# Altium PCB slave.PcbDoc (part 5 of 7) (continued)
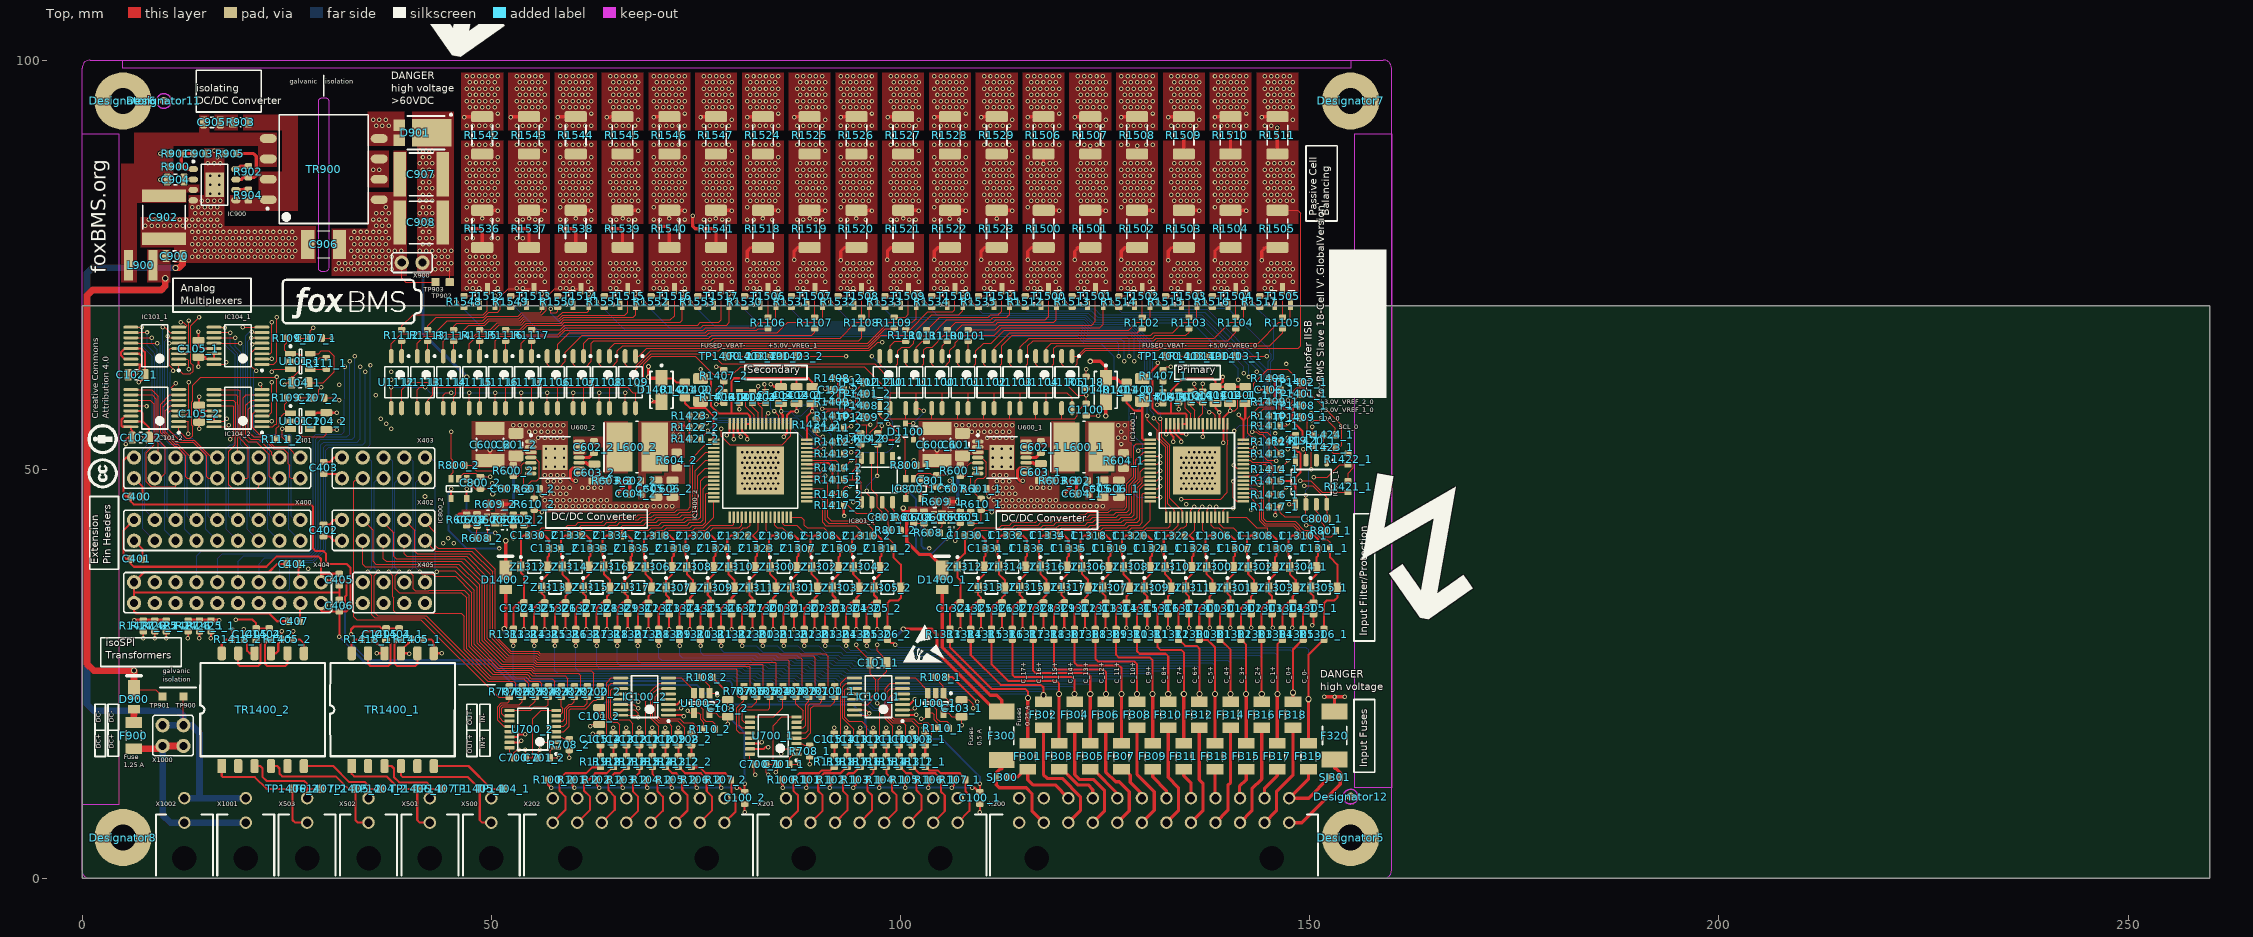
[diagram p0: Top view]
## Nets (pads, with @x,y where several pads share a name; then routed paths per layer and width w, separated by ;. In a path a pad name is that pad's centre, name@x,y a point inside that pad or via, vN(x,y) a via of type N, cw(c..) or ccw(c..) an arc to the next point about the centre after c; other vN are vias at no path point) (continued)
NetR1552_1: R1552.1 T1516.1 | length 2.2
  Top w0.152: R1552.1@69.85,71.185 70.825,71.185 71.44,70.57 T1516.1@71.44,70.17
NetR1553_1: R1553.1 T1517.1 | length 2.2
  Top w0.152: R1553.1@75.565,71.185 76.54,71.185 77.155,70.57 T1517.1@77.155,70.17
NetTR900_6: TR900.6 TR900.7
  other v1: 35.56,86.614 36.322,86.614
OPA_TEMP_1: IC100_1.8 R110_1.1 U100_1.3 | length 9.9
  Top w0.152: IC100_1.8@100.239,24.5 101.78,24.5 103.349,22.931 U100_1.3@103.349,22.631 103.349,21.746 104.457,20.637 104.457,19.526 104.775,19.209 105.638,19.209 105.949,18.898 R110_1.1@105.949,18.347
OPA_TEMP_2: IC100_2.8 R110_2.1 U100_2.3 | length 10
  Top w0.152: IC100_2.8@71.664,24.5 73.205,24.5 74.774,22.931 U100_2.3@74.774,22.631 74.774,21.746 75.882,20.637 75.882,19.526 76.2,19.209 76.994,19.209 77.374,18.829 R110_2.1@77.374,18.256
OPA_USER_1: IC101_1.8 IC104_1.8 R111_1.1 U101_1.3 | length 37.7
  Top w0.152: IC101_1.8@11.815,67.363 12.565,67.363 12.761,67.558 12.374,67.945 v1(12.065,67.945) ; v1@19.636,67.388 v1(19.621,67.373) 20.937,67.373 20.948,67.363 IC104_1.8@21.957,67.363 ; IC104_1.8@21.931,67.388 IC104_1.8@21.957,67.363 ; IC104_1.8@21.975,67.363 IC104_1.8@21.957,67.363 ; v1@23.187,61.903 v1(23.177,61.912) 23.498,62.233 U101_1.3@25.47,62.233 ; v1(28.575,63.182) 29.03,63.638 R111_1.1@29.845,63.638
  Signals2 w0.152: v1(12.065,67.945) 12.383,67.627 12.383,61.912 12.7,61.595 20.002,61.595 ; v1(19.621,67.373) 20.002,66.992 20.002,61.595 ; v1(28.575,63.182) 28.575,62.547 28.258,62.23 23.495,62.23 v1(23.177,61.912) 22.748,61.483 20.432,61.483 20.32,61.595 20.002,61.595
OPA_USER_2: IC101_2.8 IC104_2.8 R111_2.1 U101_2.3 | length 31.2
  Top w0.152: v1(11.43,60.518) 10.869,59.957 10.869,59.938 11.065,59.743 IC101_2.8@11.815,59.743 ; v1(21.749,60.373) 21.975,60.147 IC104_2.8@21.975,59.743 ; R111_2.1@25.148,53.657 24.696,53.657 24.447,53.906 v1(24.447,54.927) 24.45,54.93 U101_2.3@25.47,54.93
  Signals2 w0.152: v1(11.43,60.518) 11.43,55.096 12.724,53.802 13.512,53.802 14.003,54.292 21.273,54.292 ; v1(21.749,60.373) 21.638,60.373 21.273,60.008 21.273,54.292 ; v1(24.447,54.927) 23.812,54.292 21.273,54.292
OUT_N1_1: IC1400_1.63 R1418_1.2 TR1400_1.10 | length 124.4
  Top w0.254: R1418_1.2@35.625,29.21 35.625,29.11 35.996,28.739 36.081,28.739 36.954,27.866 TR1400_1.10@36.954,27.517 36.026,27.517 v1(36.005,27.495) ; IC1400_1.63@132.958,55.547 132.958,54.648 133.063,54.543 133.063,54.262 133.35,53.975 v1(133.35,53.34)
  Signals1 w0.254: v1@35.985,27.495 v1(36.005,27.495) 37.362,27.495 37.597,27.731 37.597,29.051 37.833,29.286 37.898,29.286 101.135,29.286 101.453,29.604 101.453,40.45 104.653,43.65 129.057,43.65 131.075,45.667 131.075,51.762 132.653,53.34 v1(133.35,53.34)
OUT_N1_2: IC1400_2.63 R1418_2.2 TR1400_2.10 | length 85.5
  Top w0.254: v1(19.75,30.48) R1418_2.2@19.75,29.21 19.75,29.11 20.161,28.699 20.161,27.826 20.47,27.517 TR1400_2.10@21.079,27.517 ; v1(79.618,53.692) IC1400_2.63@79.618,55.598
  Signals1 w0.254: v1(19.75,30.48) 23.698,30.48 24.587,31.369 47.879,31.369 48.532,32.022 48.532,42.332 49.85,43.65 76.67,43.65 78.461,45.441 78.461,52.535 v1(79.618,53.692)
OUT_P1_1: IC1400_1.64 R1418_1.1 TR1400_1.12 | length 123.6
  Top w0.254: TR1400_1.12@32.941,27.517 32.941,28.814 33.337,29.21 R1418_1.1@34.225,29.21 34.225,29.995 34.442,30.212 35.985,30.212 36.368,29.829 v1(36.38,29.829) ; v1(132.458,54.292) IC1400_1.64@132.458,55.547
  Signals1 w0.254: v1(36.38,29.829) 36.38,29.875 36.562,29.693 36.83,29.693 100.729,29.693 101.047,30.01 101.047,40.546 104.633,44.133 128.905,44.133 130.52,45.747 130.52,52.097 132.458,54.035 v1(132.458,54.292)
OUT_P1_2: IC1400_2.64 R1418_2.1 TR1400_2.12 | length 86.3
  Top w0.254: TR1400_2.12@17.066,27.517 17.066,28.655 17.621,29.21 R1418_2.1@18.35,29.21 v1(18.35,30.468) ; v1@78.762,54.043 v1(78.762,54.177) 79.117,54.533 IC1400_2.64@79.117,55.598
  Signals1 w0.254: v1(18.35,30.468) 18.496,30.468 19.114,31.085 20.703,31.085 21.749,32.131 47.808,32.131 48.126,32.449 48.126,42.428 49.703,44.005 76.391,44.005 78.105,45.72 78.105,53.52 v1(78.762,54.177)
PRIMARY-ANALOG-IN_0: IC104_1.4 X400.1 | length 27.6
  Top w0.152: v1(21.273,62.038) 20.637,62.673 20.637,64.175 21.225,64.763 IC104_1.4@21.975,64.763
  Bottom w0.152: v1(21.273,62.038) 21.08,62.038 20.955,61.912 20.955,54.61 21.273,54.292 25.399,54.292 25.559,54.133 25.559,44.276 26.041,43.803 X400.1@26.67,43.815
PRIMARY-ANALOG-IN_1: IC104_1.5 X400.2 | length 30.2
  Top w0.152: v1(20.784,65.248) 20.948,65.413 IC104_1.5@21.975,65.413
  Bottom w0.152: v1(20.784,65.248) 20.637,65.102 20.637,54.292 20.955,53.975 25.082,53.975 25.241,53.816 25.241,42.686 X400.2@26.67,41.275
PRIMARY-ANALOG-IN_2: IC104_1.6 X400.3 | length 27
  Top w0.152: v1(20.66,66.063) IC104_1.6@21.975,66.063 ; IC104_1.6@21.933,66.04 IC104_1.6@21.946,66.053
  Bottom w0.152: v1(20.66,66.063) 20.229,65.632 20.229,54.066 20.637,53.657 22.656,53.657 23.006,53.307 23.006,53.054 22.955,53.003 22.955,44.339 23.501,43.803 X400.3@24.13,43.815
PRIMARY-ANALOG-IN_3: IC104_1.7 X400.4 | length 30.4
  Top w0.152: v1(20.711,66.816) 20.809,66.816 20.827,66.834 20.948,66.713 IC104_1.7@21.975,66.713
  Bottom w0.152: v1(20.711,66.816) 20.497,66.816 20.479,66.834 19.975,66.33 19.975,53.685 20.32,53.34 22.541,53.34 22.701,53.18 22.701,44.516 22.65,44.465 22.65,44.212 22.701,44.161 22.701,42.686 X400.4@24.13,41.275
PRIMARY-ANALOG-IN_4: IC104_1.12 X400.5 | length 26.3
  Top w0.152: IC104_1.12@16.125,65.413 19.34,65.413 v1(19.345,65.418)
  Bottom w0.152: v1(19.345,65.418) 19.355,65.418 19.685,65.087 19.685,53.34 20.002,53.023 20.32,53.023 20.479,52.864 20.479,44.276 20.961,43.803 X400.5@21.59,43.815
PRIMARY-ANALOG-IN_5: IC104_1.11 X400.6 | length 28.7
  Top w0.152: IC104_1.11@16.125,66.063 18.697,66.063 v1(18.707,66.053)
  Bottom w0.152: v1(18.707,66.053) 18.707,64.941 19.367,64.281 19.367,53.023 19.685,52.705 20.002,52.705 20.161,52.546 20.161,42.686 X400.6@21.59,41.275
PRIMARY-ANALOG-IN_6: IC104_1.10 X400.7 | length 26.7
  Top w0.152: IC104_1.10@16.154,66.713 18.059,66.713 v1(18.098,66.675)
  Bottom w0.152: v1(18.098,66.675) 18.098,65.087 19.05,64.135 19.05,53.023 18.732,52.705 18.415,52.705 17.939,52.229 17.939,44.276 18.421,43.803 X400.7@19.05,43.815
PRIMARY-ANALOG-IN_7: IC104_1.9 X400.8 | length 29.2
  Top w0.152: IC104_1.9@16.125,67.363 17.41,67.363 v1(17.462,67.31)
  Bottom w0.152: v1(17.462,67.31) 17.462,65.234 18.732,63.964 18.732,53.34 18.415,53.023 18.098,53.023 17.621,52.546 17.621,42.686 X400.8@19.05,41.275
PRIMARY-ANALOG-IN_8: IC101_1.4 X400.9 | length 26.3
  Top w0.152: v1(11.112,62.038) 11.112,62.23 10.636,62.706 10.636,64.589 10.788,64.741 10.788,64.763 IC101_1.4@11.815,64.763
  Bottom w0.152: v1(11.112,62.038) 10.92,62.038 10.795,61.912 10.795,54.61 11.112,54.292 12.233,54.292 12.724,53.802 13.451,53.802 15.399,51.854 15.399,44.276 15.881,43.803 X400.9@16.51,43.815
PRIMARY-ANALOG-IN_9: IC101_1.5 X400.10 | length 29.1
  Top w0.152: v1(10.636,65.405) 10.781,65.405 10.788,65.413 IC101_1.5@11.815,65.413
  Bottom w0.152: v1(10.636,65.405) 10.477,65.246 10.477,54.292 10.795,53.975 12.192,53.975 12.619,53.548 13.346,53.548 15.081,51.813 15.081,42.686 X400.10@16.51,41.275
PRIMARY-ANALOG-IN_10: IC101_1.6 X400.11 | length 26.3
  Top w0.152: v1(10.477,66.244) 10.659,66.063 IC101_1.6@11.815,66.063
  Bottom w0.152: v1(10.477,66.244) 10.477,66.04 10.082,65.644 10.082,54.053 10.477,53.657 11.056,53.657 12.859,51.854 12.859,44.276 13.341,43.803 X400.11@13.97,43.815
PRIMARY-ANALOG-IN_11: IC101_1.7 X400.12 | length 30.4
  Top w0.152: v1(9.842,67.373) 10.132,67.373 10.793,66.713 IC101_1.7@11.815,66.713
  Bottom w0.152: v1(9.842,67.373) 9.828,67.359 9.828,53.948 10.736,53.04 11.314,53.04 12.541,51.813 12.541,42.686 X400.12@13.97,41.275
PRIMARY-ANALOG-IN_12: IC101_1.12 X400.13 | length 26.1
  Top w0.152: IC101_1.12@5.965,65.413 9.19,65.413 9.195,65.418 v1(9.207,65.405)
  Bottom w0.152: v1(9.207,65.405) 9.525,65.087 9.525,53.382 10.377,52.53 10.377,44.219 10.801,43.803 X400.13@11.43,43.815
PRIMARY-ANALOG-IN_13: IC101_1.11 X400.14 | length 28.6
  Top w0.152: IC101_1.11@5.965,66.063 6.992,66.063 7.001,66.053 8.502,66.053 v1(8.509,66.06)
  Bottom w0.152: v1(8.509,66.06) 8.509,65.319 9.207,64.621 9.207,53.34 10.123,52.424 10.123,44.396 10.072,44.345 10.072,44.093 10.123,44.042 10.123,42.565 X400.14@11.43,41.275
PRIMARY-ANALOG-IN_14: IC101_1.10 X400.15 | length 26.3
  Top w0.152: IC101_1.10@5.965,66.713 6.992,66.713 ; 6.992,66.713 v1(7.936,66.713)
  Bottom w0.152: v1(7.936,66.713) 7.936,65.086 8.569,64.453 8.572,64.453 8.89,64.135 8.89,53.34 7.657,52.107 7.657,45.048 X400.15@8.89,43.815
PRIMARY-ANALOG-IN_15: IC101_1.9 X400.16 | length 29.1
  Top w0.152: IC101_1.9@5.965,67.363 6.992,67.363 7.003,67.373 v1(7.306,67.373)
  Bottom w0.152: v1(7.306,67.373) 7.306,65.084 8.572,63.817 8.572,53.617 7.403,52.447 7.403,42.762 X400.16@8.89,41.275
PRIMARY-C0: C1311_1.2 IC1400_1.38 R1306_1.2 Z1305_1.2 | length 28.5
  Top w0.152: IC1400_1.38@141.908,48.597 143.54,48.597 143.598,48.656 144.087,48.656 144.382,48.361 144.382,43.937 144.695,43.624 148.211,43.624 149.285,42.55 150.363,42.55 151.511,41.402 152.146,41.402 152.49,41.058 C1311_1.2@152.49,40.322 ; IC1400_1.38@141.958,48.598 IC1400_1.38@142.016,48.656
  Top w0.254: R1306_1.2@151.745,30.583 151.745,33.643 152.062,33.96 153.015,33.96 153.38,34.325 153.38,38.358 152.49,39.247 C1311_1.2@152.49,40.322
PRIMARY-C1: C1305_1.1 C1310_1.2 C1311_1.1 IC1400_1.36 R1305_1.2 Z1304_1.2 Z1305_1.1 | length 25.6
  Top w0.152: IC1400_1.36@141.958,47.598 143.379,47.598 144.128,46.848 144.128,43.832 144.589,43.37 148.106,43.37 148.734,42.743 148.734,42.635 149.472,41.898 C1310_1.2@149.93,41.898
  Top w0.254: R1305_1.2@149.205,30.533 149.205,33.039 149.898,33.733 C1305_1.1@150.475,33.733 150.475,34.471 150.11,34.836 Z1305_1.1@150.11,35.548 150.11,36.453 150.84,37.183 150.84,37.376 Z1304_1.2@150.84,38.088 150.84,39.236 151.04,39.436 C1311_1.1@151.04,40.322 151.04,41.42 150.563,41.898 C1310_1.2@150.07,41.898
PRIMARY-C2: C1304_1.1 C1309_1.2 C1310_1.1 IC1400_1.34 R1304_1.2 Z1303_1.2 Z1304_1.1 | length 23.4
  Top w0.152: IC1400_1.34@141.908,46.597 142.709,46.597 143.874,45.433 143.874,43.727 144.484,43.116 148.001,43.116 148.48,42.637 C1310_1.1@148.48,41.898
  Top w0.254: R1304_1.2@146.665,30.533 146.665,33.039 147.358,33.733 C1304_1.1@147.935,33.733 147.935,34.471 148.3,34.836 Z1303_1.2@148.3,35.548 148.3,36.453 147.57,37.183 Z1304_1.1@147.57,38.088 147.57,39.236 147.41,39.396 C1309_1.2@147.41,40.322 147.41,41.46 147.848,41.898 C1310_1.1@148.34,41.898
PRIMARY-C3: C1303_1.1 C1308_1.2 C1309_1.1 IC1400_1.32 R1303_1.2 Z1302_1.2 Z1303_1.1 | length 20
  Top w0.152: IC1400_1.32@139.958,44.147 142.225,44.147 143.51,42.862 144.85,42.862 C1308_1.2@144.85,41.898
  Top w0.254: R1303_1.2@144.125,30.533 144.125,33.039 144.818,33.733 C1303_1.1@145.395,33.733 145.395,34.471 145.03,34.836 Z1303_1.1@145.03,35.548 145.03,36.453 145.76,37.183 Z1302_1.2@145.76,38.088 145.76,39.236 145.96,39.436 C1309_1.1@145.96,40.322 145.96,41.42 145.483,41.898 C1308_1.2@144.85,41.898
PRIMARY-C4: C1302_1.1 C1307_1.2 C1308_1.1 IC1400_1.30 R1302_1.2 Z1301_1.2 Z1302_1.1 | length 19.2
  Top w0.152: IC1400_1.30@138.958,43.497 IC1400_1.30@138.958,44.097 ; IC1400_1.30@138.958,44.147 138.958,43.346 139.441,42.862 140.653,42.862 141.617,41.898 142.768,41.898
  Top w0.254: R1302_1.2@141.585,30.533 141.585,33.039 142.278,33.733 C1302_1.1@142.855,33.733 142.855,34.471 143.22,34.836 Z1301_1.2@143.22,35.548 143.22,36.453 142.49,37.183 Z1302_1.1@142.49,38.088 142.49,39.236 142.342,39.383 C1307_1.2@142.342,40.322 142.342,41.472 142.768,41.898 C1308_1.1@143.26,41.898
PRIMARY-C5: C1301_1.1 C1306_1.2 C1307_1.1 IC1400_1.28 R1301_1.2 Z1300_1.2 Z1301_1.1 | length 16.9
  Top w0.152: IC1400_1.28@137.958,44.097 137.958,43.18 138.275,42.862 138.905,42.862 139.77,41.998 C1306_1.2@139.77,41.898
  Top w0.254: R1301_1.2@139.045,30.533 139.045,33.039 139.738,33.733 C1301_1.1@140.315,33.733 140.315,34.471 139.95,34.836 Z1301_1.1@139.95,35.548 139.95,36.453 140.68,37.183 Z1300_1.2@140.68,38.088 140.68,39.236 140.892,39.448 C1307_1.1@140.892,40.322 140.892,41.353 140.347,41.898 C1306_1.2@139.77,41.898
PRIMARY-C6: C1300_1.1 C1306_1.1 C1323_1.2 IC1400_1.26 R1300_1.2 Z1300_1.1 Z1311_1.2 | length 16.1
  Top w0.152: IC1400_1.26@136.958,44.097 136.958,42.545 137.605,41.898 137.688,41.898
  Top w0.254: R1300_1.2@136.505,30.533 136.505,33.039 137.198,33.733 C1300_1.1@137.775,33.733 137.775,34.471 138.14,34.836 Z1311_1.2@138.14,35.548 138.14,36.453 137.41,37.183 Z1300_1.1@137.41,38.088 137.41,39.236 137.25,39.396 C1323_1.2@137.25,40.322 137.25,41.46 137.688,41.898 C1306_1.1@138.32,41.898
PRIMARY-C7: C1317_1.1 C1322_1.2 C1323_1.1 IC1400_1.24 R1312_1.2 Z1310_1.2 Z1311_1.1 | length 16.1
  Top w0.152: 135.323,41.898 135.323,41.91 135.958,42.545 IC1400_1.24@135.958,44.097
  Top w0.254: R1312_1.2@133.965,30.533 133.965,33.039 134.658,33.733 C1317_1.1@135.235,33.733 135.235,34.471 134.87,34.836 Z1311_1.1@134.87,35.548 134.87,36.453 135.6,37.183 135.6,37.376 Z1310_1.2@135.6,38.088 135.6,39.236 135.8,39.436 C1323_1.1@135.8,40.322 135.8,41.42 135.323,41.898 C1322_1.2@134.69,41.898
PRIMARY-C8: C1316_1.1 C1321_1.2 C1322_1.1 IC1400_1.22 R1311_1.2 Z1309_1.2 Z1310_1.1 | length 16.7
  Top w0.152: C1322_1.1@133.338,41.898 134.302,42.862 134.64,42.862 134.958,43.18 IC1400_1.22@134.958,44.097
  Top w0.254: R1311_1.2@131.425,30.533 131.425,33.039 132.118,33.733 C1316_1.1@132.695,33.733 132.695,34.471 133.06,34.836 Z1309_1.2@133.06,35.548 133.06,36.453 132.33,37.183 Z1310_1.1@132.33,38.088 132.33,39.236 132.17,39.396 C1321_1.2@132.17,40.322 132.17,41.46 132.608,41.898 C1322_1.1@133.24,41.898 C1322_1.1@133.338,41.898
PRIMARY-C9: C1315_1.1 C1320_1.2 C1321_1.1 IC1400_1.20 R1310_1.2 Z1308_1.2 Z1309_1.1 | length 19.4
  Top w0.152: C1320_1.2@129.61,41.898 129.61,41.998 130.163,42.55 133.328,42.55 133.958,43.18 IC1400_1.20@133.958,44.097
  Top w0.254: R1310_1.2@128.885,30.533 128.885,33.039 129.578,33.733 C1315_1.1@130.155,33.733 130.155,34.471 129.79,34.836 Z1309_1.1@129.79,35.548 129.79,36.453 130.52,37.183 Z1308_1.2@130.52,38.088 130.52,39.236 130.72,39.436 C1321_1.1@130.72,40.322 130.72,41.365 130.187,41.898 C1320_1.2@129.61,41.898
PRIMARY-C10: C1314_1.1 C1319_1.2 C1320_1.1 IC1400_1.18 R1309_1.2 Z1307_1.2 Z1308_1.1 | length 20.6
  Top w0.152: C1320_1.1@128.16,41.898 128.16,41.998 128.713,42.55 129.804,42.55 130.116,42.862 132.715,42.862 132.958,43.105 IC1400_1.18@132.958,44.147 ; IC1400_1.18@132.958,43.497 IC1400_1.18@132.958,44.097
  Top w0.254: R1309_1.2@126.345,30.533 126.345,33.039 127.038,33.733 C1314_1.1@127.615,33.733 127.615,34.471 127.98,34.836 Z1307_1.2@127.98,35.548 127.98,36.453 127.25,37.183 Z1308_1.1@127.25,38.088 127.25,39.236 127.09,39.396 C1319_1.2@127.09,40.322 127.09,41.46 127.528,41.898 C1320_1.1@128.16,41.898
PRIMARY-C11: C1313_1.1 C1318_1.2 C1319_1.1 IC1400_1.16 R1308_1.2 Z1306_1.2 Z1307_1.1 | length 22.8
  Top w0.152: C1318_1.2@124.53,41.898 124.53,41.998 125.083,42.55 127.958,42.55 128.27,42.862 129.61,42.862 130.508,43.76 IC1400_1.16@130.508,46.097
  Top w0.254: R1308_1.2@123.805,30.468 R1308_1.2@123.805,30.533 123.805,33.039 124.498,33.733 C1313_1.1@125.075,33.733 125.075,34.471 124.71,34.836 Z1307_1.1@124.71,35.548 124.71,36.453 125.44,37.183 125.44,37.376 Z1306_1.2@125.44,38.088 125.44,39.236 125.64,39.436 C1319_1.1@125.64,40.322 125.64,41.42 125.163,41.898 C1318_1.2@124.53,41.898
PRIMARY-C12: C1312_1.1 C1318_1.1 C1335_1.2 IC1400_1.14 R1307_1.2 Z1306_1.1 Z1317_1.2 | length 25.1
  Top w0.152: C1318_1.1@123.08,41.898 123.08,41.998 123.633,42.55 124.46,42.55 124.772,42.862 127.635,42.862 127.953,43.18 129.222,43.18 129.54,43.497 129.54,46.972 129.665,47.097 IC1400_1.14@130.457,47.097
  Top w0.254: R1307_1.2@121.265,30.533 121.265,33.032 121.978,33.745 C1312_1.1@122.555,33.745 122.555,34.29 122.92,34.655 Z1317_1.2@122.92,35.56 122.92,36.465 122.17,37.215 122.17,37.376 Z1306_1.1@122.17,38.088 122.17,38.799 122.01,38.959 C1335_1.2@122.01,40.322 122.01,41.503 122.405,41.898 C1318_1.1@122.94,41.898
PRIMARY-C13: C1329_1.1 C1334_1.2 C1335_1.1 IC1400_1.12 R1318_1.2 Z1316_1.2 Z1317_1.1 | length 29.2
  Top w0.152: C1334_1.2@119.47,41.91 119.47,42.01 120.01,42.55 123.19,42.55 123.502,42.862 124.142,42.862 124.46,43.18 127.317,43.18 127.635,43.497 128.905,43.497 129.222,43.815 129.222,47.601 129.719,48.097 IC1400_1.12@130.457,48.097
  Top w0.254: R1318_1.2@118.745,30.468 R1318_1.2@118.745,30.545 118.745,33.052 119.438,33.745 C1329_1.1@120.015,33.745 ; C1334_1.2@119.61,41.91 120.015,41.91 120.56,41.365 C1335_1.1@120.56,40.322 120.56,39.428 120.36,39.228 Z1316_1.2@120.36,38.1 120.36,37.215 120.38,37.195 119.65,36.465 119.65,34.655 120.015,34.29 C1329_1.1@120.015,33.885
PRIMARY-C14: C1328_1.1 C1333_1.2 C1334_1.1 IC1400_1.10 R1317_1.2 Z1315_1.2 Z1316_1.1 | length 31.2
  Top w0.152: C1334_1.1@118.02,41.91 118.02,42.01 118.573,42.563 119.38,42.563 119.68,42.862 122.872,42.862 123.19,43.18 123.825,43.18 124.142,43.497 127,43.497 127.317,43.815 128.588,43.815 128.905,44.133 128.905,47.716 129.54,48.351 129.54,48.941 129.696,49.097 IC1400_1.10@130.457,49.097
  Top w0.254: R1317_1.2@116.205,30.468 R1317_1.2@116.205,30.545 116.205,33.052 116.898,33.745 C1328_1.1@117.475,33.745 ; C1328_1.1@117.475,33.885 117.475,34.29 117.84,34.655 117.84,36.465 117.09,37.215 Z1316_1.1@117.09,38.1 117.09,38.812 116.93,38.972 C1333_1.2@116.93,40.322 116.93,41.365 117.475,41.91 C1334_1.1@117.88,41.91
PRIMARY-C15: C1327_1.1 C1332_1.2 C1333_1.1 IC1400_1.8 R1316_1.2 Z1314_1.2 Z1315_1.1 | length 35.5
  Top w0.152: C1332_1.2@114.39,41.91 114.39,42.01 114.925,42.545 117.475,42.545 117.792,42.862 119.062,42.862 119.38,43.18 122.555,43.18 122.872,43.497 123.502,43.497 123.82,43.815 126.682,43.815 127,44.133 128.27,44.133 128.588,44.45 128.588,47.879 129.286,48.578 129.286,49.678 129.706,50.097 IC1400_1.8@130.508,50.097
  Top w0.254: R1316_1.2@113.665,30.468 R1316_1.2@113.665,30.545 113.665,33.052 114.358,33.745 C1327_1.1@114.935,33.745 ; C1332_1.2@114.53,41.91 114.935,41.91 115.48,41.365 C1333_1.1@115.48,40.322 115.48,39.428 115.3,39.248 Z1314_1.2@115.3,38.1 115.3,37.388 115.3,37.195 114.57,36.465 114.57,34.655 114.935,34.29 C1327_1.1@114.935,33.885
PRIMARY-C16: C1326_1.1 C1331_1.2 C1332_1.1 IC1400_1.6 R1315_1.2 Z1313_1.2 Z1314_1.1 | length 37.6
  Top w0.152: C1332_1.1@112.94,41.91 112.94,42.01 113.475,42.545 114.033,42.545 114.351,42.862 117.157,42.862 117.475,43.18 118.745,43.18 119.062,43.497 122.237,43.497 122.555,43.815 123.19,43.815 123.507,44.133 126.365,44.133 126.682,44.45 127.953,44.45 128.27,44.767 128.27,48.006 129.032,48.768 129.032,50.424 129.706,51.097 IC1400_1.6@130.508,51.097
  Top w0.254: R1315_1.2@111.125,30.468 R1315_1.2@111.125,30.545 111.125,33.052 111.818,33.745 C1326_1.1@112.395,33.745 ; C1326_1.1@112.395,33.885 112.395,34.29 112.76,34.655 112.76,36.465 112.03,37.195 Z1314_1.1@112.03,38.1 112.03,39.248 111.85,39.428 C1331_1.2@111.85,40.322 111.85,41.365 112.395,41.91 C1332_1.1@112.8,41.91
PRIMARY-C17: C1325_1.1 C1330_1.2 C1331_1.1 IC1400_1.4 R1314_1.2 Z1312_1.2 Z1313_1.1 | length 41.9
  Top w0.152: C1330_1.2@109.31,41.91 109.31,42.01 109.845,42.545 112.395,42.545 112.712,42.862 113.665,42.862 113.983,43.18 116.84,43.18 117.157,43.497 118.427,43.497 118.745,43.815 121.92,43.815 122.237,44.133 122.872,44.133 123.19,44.45 126.047,44.45 126.365,44.767 127.635,44.767 127.953,45.085 127.953,48.048 128.778,48.873 128.778,51.17 129.706,52.097 IC1400_1.4@130.508,52.097
  Top w0.254: R1314_1.2@108.585,30.468 R1314_1.2@108.585,30.545 108.585,33.052 109.278,33.745 C1325_1.1@109.855,33.745 ; C1330_1.2@109.45,41.91 109.855,41.91 110.4,41.365 C1331_1.1@110.4,40.322 110.4,39.428 110.22,39.248 Z1312_1.2@110.22,38.1 110.22,37.388 110.22,37.195 109.49,36.465 109.49,34.655 109.855,34.29 C1325_1.1@109.855,33.885
PRIMARY-C18: C1324_1.1 C1330_1.1 IC1400_1.2 R1313_1.2 Z1312_1.1 | length 43.8
  Top w0.152: C1330_1.1@107.86,41.91 107.86,42.01 108.395,42.545 108.902,42.545 109.22,42.862 112.078,42.862 112.395,43.18 113.347,43.18 113.665,43.497 116.522,43.497 116.84,43.815 118.11,43.815 118.427,44.133 121.602,44.133 121.92,44.45 122.555,44.45 122.872,44.767 125.412,44.767 125.73,45.085 127.317,45.085 127.635,45.402 127.635,48.26 128.478,49.103 128.478,52.786 128.789,53.097 IC1400_1.2@130.508,53.097
  Top w0.254: R1313_1.2@106.045,30.545 106.045,33.052 106.738,33.745 C1324_1.1@107.315,33.745 ; C1324_1.1@107.315,33.885 107.315,36.465 106.95,36.83 Z1312_1.1@106.95,38.1 106.95,38.812 107.86,39.722 C1330_1.1@107.86,41.91
PRIMARY-DIGITAL-IO_0: R700_1.1 U700_1.4 X402.1 | length 76.6
  Top w0.152: X402.1@41.91,43.815 41.91,43.497 43.18,42.227 43.18,40.64 43.497,40.322 47.942,40.322 50.482,37.782 50.482,29.674 52.401,27.755 55.714,27.755 56.005,27.464 90.851,27.464 91.196,27.119 91.196,22.332 91.367,22.161 R700_1.1@91.99,22.161 91.99,21.61 91.494,21.114 89.376,21.114 89.059,20.796 89.059,17.78 88.416,17.138 U700_1.4@87.305,17.138
PRIMARY-DIGITAL-IO_1: R701_1.1 U700_1.5 X402.2 | length 70.7
  Top w0.152: X402.2@41.91,41.275 43.18,40.005 47.625,40.005 50.165,37.465 50.165,29.632 52.302,27.495 55.614,27.495 55.9,27.21 89.313,27.21 89.609,26.914 89.609,22.258 89.706,22.161 R701_1.1@90.402,22.161 90.402,21.664 90.116,21.378 89.005,21.378 88.741,21.114 88.741,18.098 88.431,17.788 U700_1.5@87.305,17.788
PRIMARY-DIGITAL-IO_2: R702_1.1 U700_1.6 X402.3 | length 71.8
  Top w0.152: X402.3@39.37,43.815 40.64,42.545 40.64,40.005 40.957,39.688 47.307,39.688 49.847,37.148 49.847,29.515 52.121,27.241 55.509,27.241 55.795,26.956 87.82,26.956 88.021,26.755 88.021,22.332 88.192,22.161 R702_1.1@88.815,22.161 88.815,21.664 88.424,21.273 88.424,18.732 88.129,18.438 U700_1.6@87.305,18.438
PRIMARY-DIGITAL-IO_3: R703_1.1 U700_1.7 X402.4 | length 67.5
  Top w0.152: X402.4@39.37,41.275 39.37,39.688 39.688,39.37 46.99,39.37 49.53,36.83 49.53,29.355 51.897,26.987 55.404,26.987 55.689,26.702 86.217,26.702 86.434,26.485 86.434,22.332 86.605,22.161 R703_1.1@87.227,22.161 87.227,21.378 88.106,20.499 88.106,19.489 87.705,19.088 U700_1.7@87.305,19.088
PRIMARY-DIGITAL-IO_4: R704_1.1 U700_1.9 X402.5 | length 72
  Top w0.152: X402.5@36.83,43.815 36.83,43.497 38.1,42.227 38.1,39.37 38.417,39.052 46.672,39.052 49.212,36.512 49.212,29.196 51.7,26.709 55.323,26.709 55.584,26.448 84.677,26.448 84.846,26.279 84.846,22.332 85.017,22.161 R704_1.1@85.64,22.161 85.64,20.87 84.508,19.738 U700_1.9@81.605,19.738
PRIMARY-DIGITAL-IO_5: R705_1.1 U700_1.10 X402.6 | length 69.8
  Top w0.152: X402.6@36.83,41.275 36.83,39.052 37.148,38.735 46.355,38.735 48.895,36.195 48.895,29.039 51.479,26.455 55.218,26.455 55.479,26.194 83.113,26.194 83.259,26.048 83.259,22.332 83.43,22.161 R705_1.1@84.052,22.161 84.052,20.87 83.82,20.637 80.962,20.637 80.645,20.32 80.645,19.346 80.903,19.088 U700_1.10@81.605,19.088
PRIMARY-DIGITAL-IO_6: R706_1.1 U700_1.11 X402.7 | length 71.9
  Top w0.152: X402.7@34.29,43.815 35.56,42.545 35.56,38.735 35.877,38.417 46.038,38.417 48.578,35.877 48.578,28.892 51.269,26.201 55.113,26.201 55.406,25.908 81.494,25.908 81.671,25.731 81.671,22.332 81.842,22.161 R706_1.1@82.465,22.161 82.465,21.578 81.842,20.955 80.645,20.955 80.328,20.637 80.328,18.732 80.622,18.438 U700_1.11@81.605,18.438
PRIMARY-DIGITAL-IO_7: R707_1.1 U700_1.12 X402.8 | length 68.1
  Top w0.152: X402.8@34.29,41.275 34.29,38.417 34.587,38.088 45.719,38.101 48.26,35.56 48.26,28.734 51.047,25.947 55.008,25.947 55.3,25.654 79.843,25.654 80.084,25.413 80.084,22.332 80.255,22.161 R707_1.1@80.877,22.161 80.877,21.709 80.01,20.842 80.01,18.105 80.328,17.788 U700_1.12@81.605,17.788
PRIMARY-GPIO1-OPT: R1408_1.1 R1425_1.1 X404.5 | length 170.2
  Top w0.152: R1408_1.1@146.433,61.119 v1(147.32,61.119)
  Top w0.203: v1@15.748,29.337 R1425_1.1@15.748,30.161
  Signals2 w0.203: v1(15.732,29.337) 21.858,29.337 22.86,30.339 22.86,34.925 X404.5@24.13,36.195
  Signals1 w0.152: v1(34.608,61.912) 34.608,63.055 39.035,67.483 143.327,67.483 147.716,63.095 147.716,61.514 v1(147.32,61.119)
  Bottom w0.152: X404.5@24.13,36.195 24.11,38.088 24.935,38.913 28.158,38.913 29.507,40.263 29.507,52.693 29.825,53.01 34.27,53.011 34.587,53.328 34.608,53.348 v1(34.608,61.912)
PRIMARY-GPIO2-OPT: R1410_1.1 R1426_1.1 X404.7 | length 176.1
  Top w0.152: R1410_1.1@146.433,56.515 147.287,56.515 v1(147.3,56.503)
  Top w0.203: v1@14.351,29.337 R1426_1.1@14.351,30.161
  Signals2 w0.203: v1(14.335,29.337) 14.335,29.829 14.878,30.372 17.24,30.372 18.216,31.347 18.216,31.863 18.556,32.203 19.503,32.203 20.32,33.02 20.32,34.925 X404.7@21.59,36.195
  Signals1 w0.152: v1(33.975,62.547) 34.353,62.926 34.353,63.161 38.93,67.737 143.432,67.737 147.97,63.2 147.97,56.855 147.617,56.503 v1(147.3,56.503)
  Bottom w0.152: X404.7@21.59,36.195 21.57,38.405 22.332,39.167 28.053,39.167 29.19,40.304 29.19,53.01 29.507,53.328 33.635,53.328 33.952,53.645 33.975,53.667 v1(33.975,62.547)
PRIMARY-GPIO3-OPT: R1412_1.1 R1427_1.1 X404.9 | length 184
  Top w0.152: R1412_1.1@146.433,53.34 147.024,53.34 147.3,53.064 v1(147.3,52.451)
  Top w0.203: v1@12.954,29.337 R1427_1.1@12.954,30.161
  Signals2 w0.203: v1(12.938,29.337) 12.938,29.956 13.963,30.981 16.988,30.981 17.607,31.6 17.607,34.752 X404.9@19.05,36.195
  Signals1 w0.152: v1(33.337,63.817) 34.651,63.817 38.825,67.991 143.537,67.991 148.252,63.276 148.252,53.645 147.3,52.693 v1(147.3,52.451)
  Bottom w0.152: X404.9@19.05,36.195 19.03,38.723 19.728,39.421 27.947,39.421 28.872,40.346 28.872,53.328 29.19,53.645 33,53.645 33.317,53.961 33.337,53.981 v1(33.337,63.817)
PRIMARY-GPIO4-OPT: R1414_1.1 X404.11 | length 176.6
  Top w0.152: R1414_1.1@146.433,50.006 146.433,50.106 147.3,50.974 v1(147.3,51.105)
  Signals1 w0.152: v1(32.703,63.182) 32.703,63.967 36.981,68.245 143.643,68.245 148.506,63.381 148.506,52.876 148.417,52.786 148.417,52.222 v1(147.3,51.105)
  Bottom w0.152: X404.11@16.51,36.195 16.49,39.04 17.125,39.675 27.842,39.675 28.555,40.388 28.555,53.645 28.872,53.963 32.365,53.963 32.682,54.279 32.703,54.299 v1(32.703,63.182)